# Allegro board BeagleBone_AI-64_Rev_B1_PCB_220602.brd (continued)
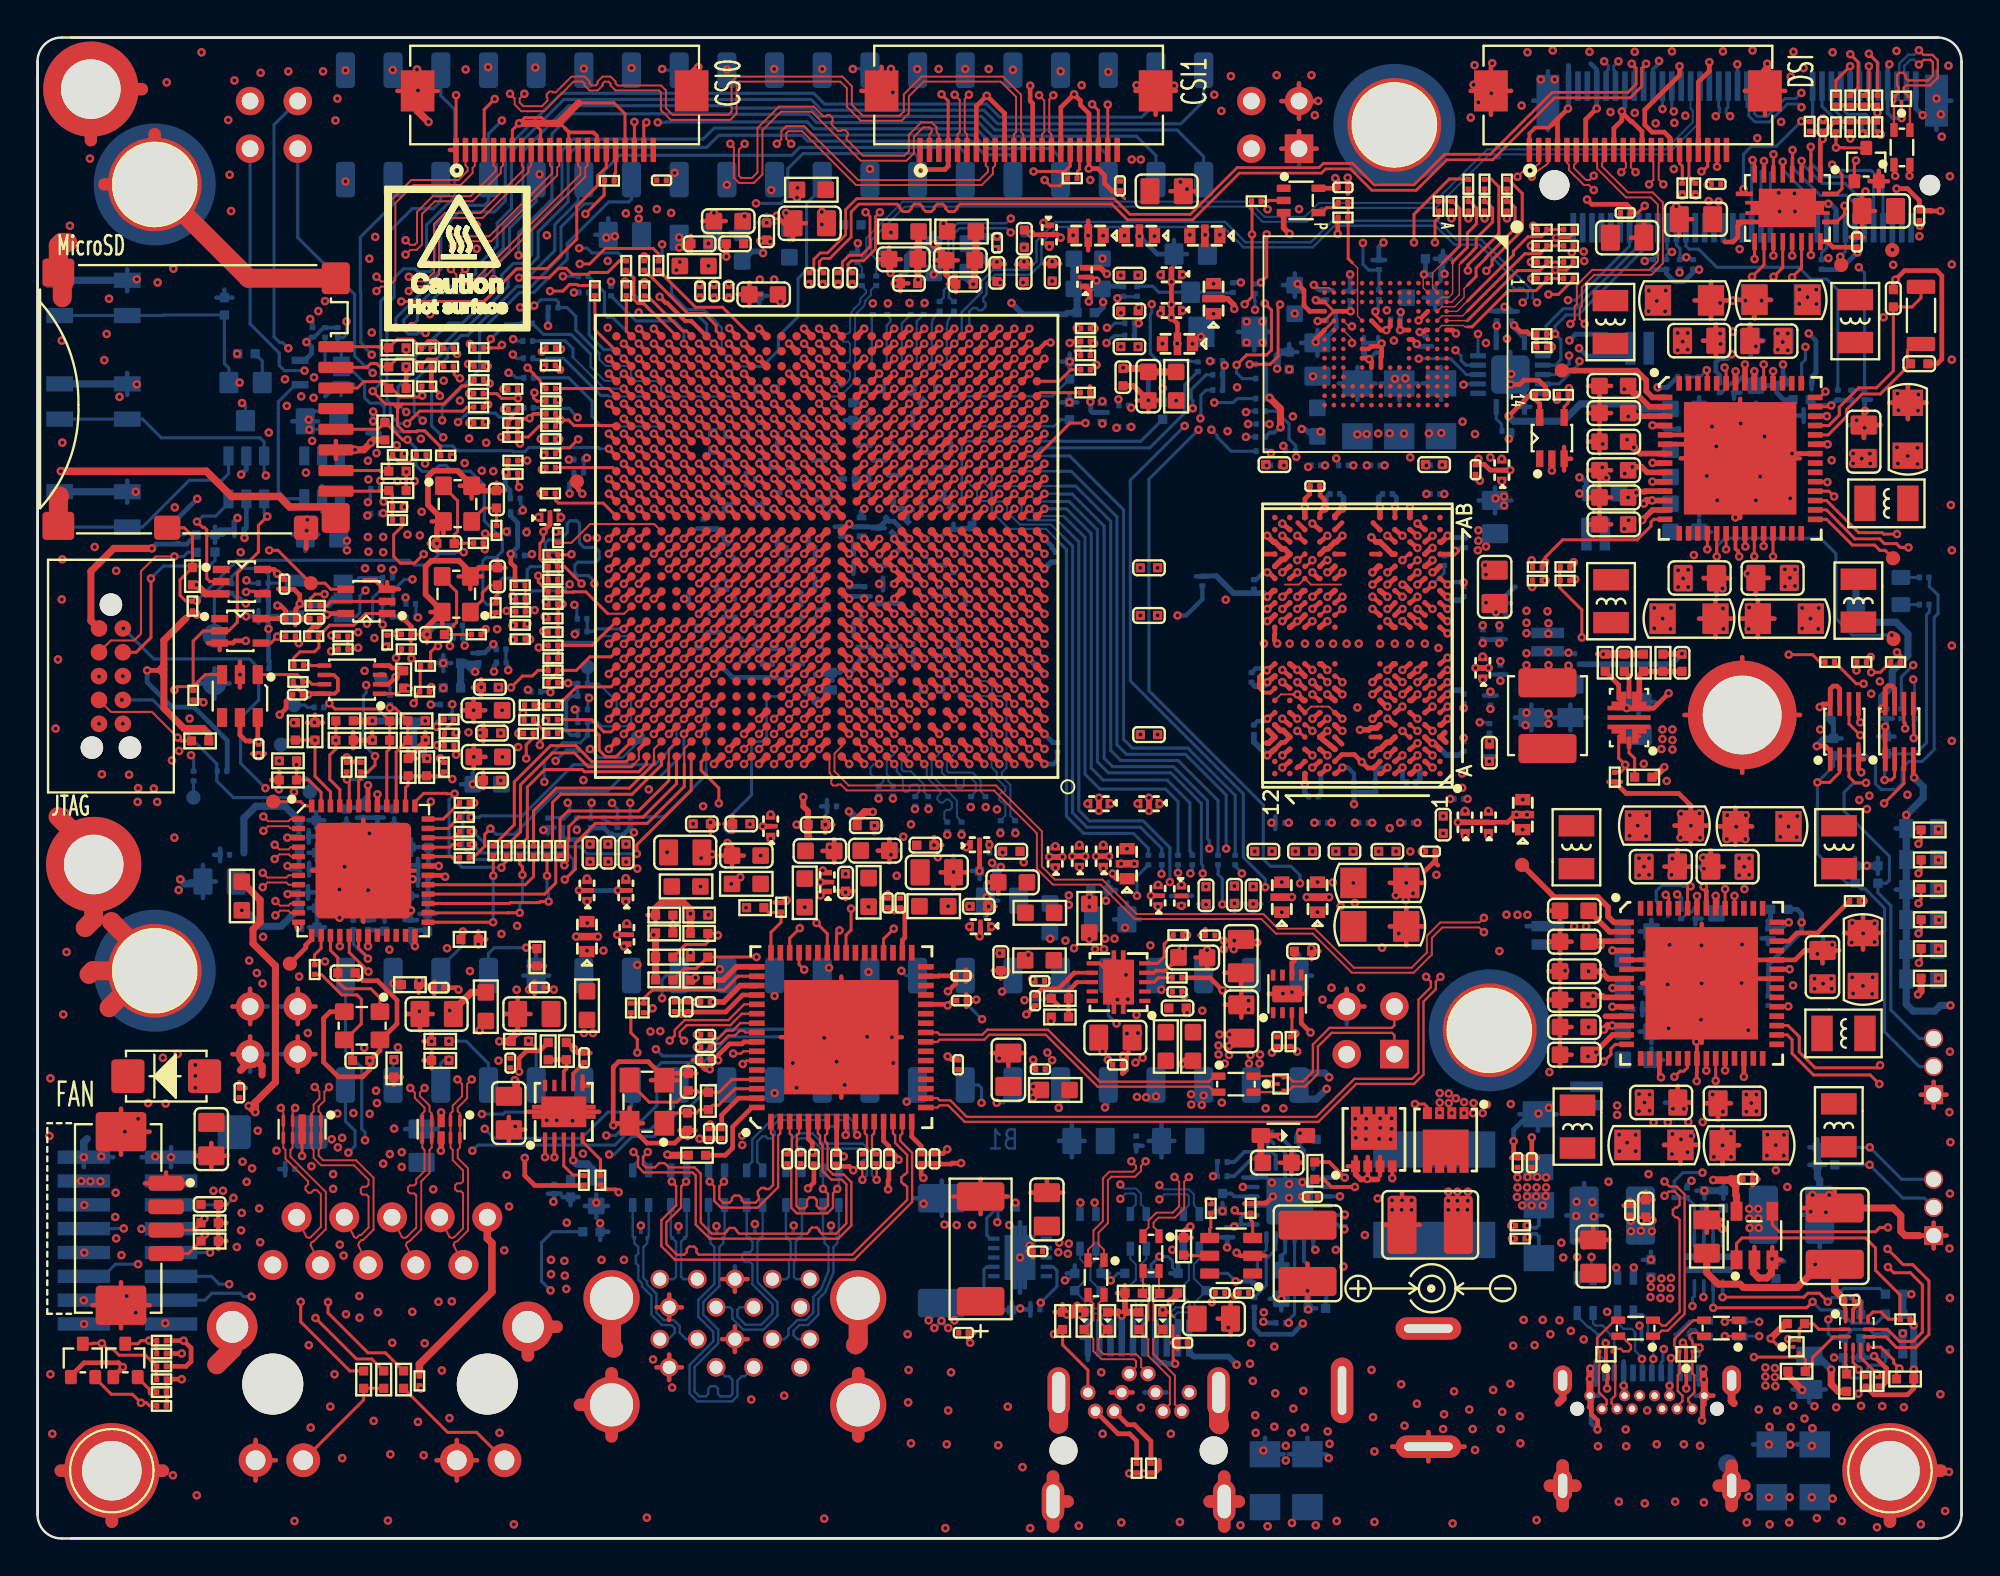
[diagram p0: board, top side]
## Routing (per net, layer and track width the routed paths; a pad name or vN(x,y) marks a point on that pad's centre or on a via; arc(x,y) is an arc through that point) (continued)
  BOTTOM w0.229: 71.45,55.49 71.63,55.67 71.63,55.67 ; 69.58,55.49 69.4,55.67 69.4,55.67 ; 67.69,39.56 67.69,39.55 ; 45.71,49.87 45.71,50.01 v1(45.64,50.08) ; 75.97,45.03 75.97,45.03
  BOTTOM w0.241: v1(23.23,44.15) 23.23,44.77 ; v1(23.23,44.15) 22.6,44.15 ; v1(23.23,44.15) 23.23,43.52 ; v1(23.23,44.15) 23.85,44.15 ; 45.19,51.85 C180.2 44.51,51.85 ; 37.83,10.62 J8.7 37.15,9.95 ; 46.26,56.01 C167.2 46.26,55.34 ; 4.78,67.65 SW1.3 4.78,66.48 ; 91.85,31.99 R11.2 ; R11.2 92.18,31.67 ; R11.2 92.52,31.99 ; 37.19,49.12 C260.2 36.52,49.12 ; 5.54,20.32 v1(7.11,20.32) ; v1(7.11,20.32) 7.11,20.86 ; v1(7.11,20.32) 7.11,19.79 ; 28.4,17.77 C314.2 ; C314.2 28.82,18.2 ; C314.2 27.97,18.2 ; 93.76,59.85 C7.2 ; C7.2 94.08,59.51 ; C7.2 94.08,60.19 ; 65.52,21.03 C550.2 65.52,21.7 ; 89.52,22.33 C17.2 ; C17.2 90.21,23.21 ; C17.2 88.83,23.21 ; 89.4,64.72 C23.2 88.72,63.85 ; 90.72,61.07 R13.2 90.38,60.75 ; C288.2 20.27,36.22 ; C288.2 20.27,35.54 ; C288.2 19.95,35.88 ; v1(21.61,46.66) 21.61,47.09 ; v1(21.61,46.66) 22.04,46.66 ; v1(21.61,46.66) 21.18,46.66 ; v1(21.61,46.66) 21.61,46.23 ; 101.16,75.07 J4.76 ; J4.76 101.16,78.2 ; J4.76 101.95,76.64 ; 45.98,47.56 C173.2 45.3,47.56 ; 41.43,50.51 C218.2 41.43,51.19 ; 77.35,41.36 C55.2 ; C55.2 77.01,41.68 ; C55.2 77.68,41.68 ; P8.1 67.2,75.02 ; P8.1 68.14,74.08 ; P8.1 66.26,74.08 ; P8.1 67.2,73.14 ; P9.44 13.86,29.3 ; P9.44 13.86,27.42 ; P9.44 14.8,28.36 ; P9.44 12.92,28.36 ; 4.78,62.13 SW2.3 4.78,60.96 ; 58.34,7.78 J7.8 57.17,7.78 ; J9.12 22.34,5.25 ; J9.12 21.26,4.17 ; J9.12 22.34,3.09 ; J9.12 23.41,4.17 ; 14.89,32.15 R154.2 ; R154.2 15.32,32.58 ; R154.2 14.89,33.01 ; R154.2 14.46,32.58 ; 48.8,34.63 C387.2 ; C387.2 48.11,35.51 ; C387.2 48.8,36.38 ; C387.2 49.48,35.51 ; C109.2 58.03,33.87 ; C109.2 58.72,33 ; C109.2 57.35,33 ; C308.2 14.41,34.78 ; C308.2 14.73,34.44 ; C308.2 14.41,34.11 ; C47.2 80.46,43.76 ; C47.2 78.7,43.76 ; C47.2 79.58,43.07 ; C47.2 79.58,44.45 ; 82.39,15.48 C44.2 ; C44.2 81.44,17.21 ; C44.2 82.39,18.94 ; C44.2 83.35,17.21 ; 55.26,14.56 D12.2 54.83,14.13 ; 74.46,65.51 C68.2 ; C68.2 75.08,66.14 ; C68.2 74.46,66.76 ; C68.2 73.84,66.14 ; 44.28,56.14 C187.2 44.28,56.82 ; 43.14,51.74 C197.2 ; C197.2 43.46,52.07 ; C197.2 43.46,51.4 ; 49.05,48.01 C127.2 49.05,47.34 ; C20.2 89.44,32.42 ; C20.2 88.82,31.8 ; C20.2 90.06,31.8 ; C20.2 89.44,31.17 ; 55.96,9.51 J7.1 55.6,10.69 ; J6.2 76.02,4.89 ; J6.2 74.09,4.12 ; J6.2 72.17,4.89 ; J6.2 74.09,5.67 ; R87.2 50,53.82 ; R87.2 49.32,53.82 ; R87.2 49.66,54.14 ; 39.91,52.16 C232.2 39.91,52.84 ; P9.43 13.86,26.76 ; P9.43 13.86,24.88 ; P9.43 12.92,25.82 ; P9.43 14.8,25.82 ; 64.34,33.82 C102.2 ; C102.2 64.77,33.39 ; C102.2 65.2,33.82 ; C21.2 94.38,8.63 ; C21.2 94.38,7.26 ; C21.2 93.51,7.94 ; C21.2 95.26,7.94 ; J5.B1 82.7,8.09 ; J5.B1 83.17,7.61 ; J5.B1 82.7,7.13 ; 94.39,19.92 D4.1 95.25,19.92 ; 88.32,7.61 J5.B12 ; J5.B12 88.8,7.13 ; J5.B12 89.27,7.61 ; J5.B12 88.8,8.09 ; 39.88,45.93 39.88,46.23 ; v1(23.19,40.2) 23.19,40.82 ; v1(23.19,40.2) 22.57,40.2 ; v1(23.19,40.2) 23.81,40.2 ; 48.42,55.9 C136.2 47.81,55.29 ; 87.89,60.21 C25.2 ; C25.2 88.52,60.83 ; C25.2 88.52,59.58 ; C25.2 89.14,60.21 ; 13.58,59.55 C301.2 14.95,59.55 ; C305.2 14.85,38.72 ; C305.2 14.42,38.29 ; C305.2 14.85,37.86 ; C305.2 15.28,38.29 ; 19.37,34.25 C291.2 ; C291.2 19.8,33.82 ; C291.2 20.23,34.25 ; C291.2 19.8,34.68 ; 19.55,32.96 C292.2 ; C292.2 19.89,33.28 ; C292.2 20.22,32.96 ; 70.26,66.49 C81.2 69.59,66.49 ; C18.2 89.8,35.81 ; C18.2 88.43,35.81 ; C18.2 89.11,36.68 ; 20.35,33.3 C287.2 ; C287.2 21.2,33.3 ; C287.2 20.78,32.87 ; C287.2 20.78,33.72 ; 48.37,50.21 C146.2 47.7,50.21 ; 60.54,69.21 D7.1 61.23,68.46 ; C307.2 14.44,37.76 ; C307.2 14.76,37.42 ; C307.2 14.44,37.08 ; 41.5,49.5 C209.2 42.17,49.5 ; C45.2 81.66,44.44 ; C45.2 82.54,43.76 ; C45.2 81.66,43.07 ; C45.2 80.78,43.76 ; R400.2 68.64,4.49 ; R400.2 67.65,5.37 ; R400.2 66.66,4.49 ; C46.2 80.92,22.61 ; C46.2 79.93,21.73 ; C46.2 78.94,22.61 ; 74.3,63.55 C67.2 73.62,63.55 ; R9.2 93.38,5.01 ; R9.2 92.39,5.89 ; R9.2 91.4,5.01 ; 52.29,12.18 52.32,12.18 ; 88.5,8.19 J5.A1 88.82,8.82 ; C304.2 15.3,33.6 ; C304.2 14.44,33.6 ; C304.2 14.87,34.03 ; C304.2 14.87,33.18 ; 40.05,70.44 C226.2 40.05,69.19 ; 9.42,44.76 TP16.1 ; TP16.1 9.42,46.39 ; TP16.1 10.23,45.57 ; TP16.1 8.61,45.57 ; C71.2 72.54,62.44 ; C71.2 72.54,60.68 ; C71.2 73.53,61.56 ; C71.2 71.55,61.56 ; 90.78,49.02 C9.2 ; C9.2 92.53,49.02 ; C9.2 91.65,50.02 ; C9.2 91.65,48.03 ; 23.83,47.19 C286.2 23.16,47.19 ; C3.2 97.26,33.15 ; C3.2 97.26,31.39 ; C3.2 96.27,32.27 ; 49.75,35.58 v1(50.18,35.58) ; v1(50.18,35.58) 50.18,36.01 ; v1(50.18,35.58) 50.18,35.15 ; 18.49,32.87 C294.2 ; C294.2 18.06,33.3 ; C294.2 18.49,33.72 ; C294.2 18.92,33.3 ; 16.03,37.96 C299.2 ; C299.2 16.89,37.96 ; C299.2 16.46,37.53 ; C299.2 16.46,38.39 ; C37.2 85.29,45.27 ; C37.2 86.17,44.58 ; C37.2 84.42,44.58 ; C37.2 85.29,43.89 ; 94.51,61.92 R396.1 94.51,61.25 ; 57.46,34.57 C112.2 57.03,35 ; 46.93,57.89 C154.2 47.61,57.89 ; 20.27,34.78 C289.2 ; C289.2 20.27,35.46 ; C289.2 19.95,35.12 ; 88.08,37.01 C32.2 ; C32.2 88.95,38 ; C32.2 87.2,38 ; C32.2 88.08,38.99 ; 63.95,64.31 C105.2 ; C105.2 64.82,63.32 ; C105.2 65.7,64.31 ; 91.54,59.3 C15.2 ; C15.2 91.54,60.55 ; C15.2 90.92,59.93 ; C15.2 92.16,59.93 ; 34.33,12.32 J8.13 33.65,13 ; 7.15,53.54 C313.2 7.83,53.54 ; 13.19,19.35 C554.2 ; C554.2 12.87,19.69 ; C554.2 13.19,20.03 ; 14.27,52.64 C300.2 ; C300.2 14.27,54.39 ; C300.2 14.95,53.51 ; C300.2 13.58,53.51 ; v1(66.26,12.77) 66.26,13.4 ; v1(66.26,12.77) 65.64,12.77 ; v1(66.26,12.77) 66.26,12.15 ; 42.9,50.21 C203.2 43.57,50.21 ; 65.94,38.49 C97.2 65.94,37.81 ; 78.46,63.24 U2.15 78.46,60.84 ; 23.24,41.03 v1(23.24,41.66) ; v1(23.24,41.66) 23.24,42.28 ; v1(23.24,41.66) 23.86,41.66 ; C306.2 14.78,35.68 ; C306.2 14.47,36.01 ; C306.2 14.47,35.34 ; 55.1,20.31 C551.2 ; C551.2 55.1,22.07 ; C551.2 55.79,21.19 ; C551.2 54.41,21.19 ; 61.82,33.82 C107.2 62.25,33.39 ; 36.45,54.64 C266.2 37.06,55.24 ; 96.46,59.34 C2.2 ; C2.2 97.33,58.65 ; C2.2 97.33,60.03 ; C2.2 98.21,59.34 ; 64.76,19.53 U3.6 64.24,19.24 ; 50.18,69.02 C238.2 49.56,68.4 ; 35.71,48.31 C270.2 36.38,48.31 ; 44.38,50.21 C192.2 43.71,50.21 ; 20.46,21.14 C553.2 ; C553.2 20.46,22.51 ; C553.2 21.34,21.82 ; C553.2 19.58,21.82 ; C26.2 89.14,58.03 ; C26.2 88.52,57.41 ; C26.2 88.52,58.66 ; 67.69,12.69 C88.2 68.12,12.27 ; P9.E4 69.74,29.3 ; P9.E4 70.68,28.36 ; P9.E4 69.74,27.42 ; P9.E4 68.8,28.36 ; 97.56,9.64 R22.2 96.7,9.64 ; C549.2 59.88,22.07 ; C549.2 60.56,21.19 ; C549.2 59.19,21.19 ; C549.2 59.88,20.31 ; 9.02,53.5 R159.2 ; R159.2 9.88,53.5 ; R159.2 9.45,53.07 ; R159.2 9.45,53.93 ; C40.2 86.6,30.88 ; C40.2 85.35,30.88 ; C40.2 85.98,31.51 ; C40.2 85.98,30.26 ; 88.32,32.73 R18.2 88.66,33.04 ; 44.47,53.85 C184.2 45.14,53.85 ; 54.56,62.73 R80.2 ; R80.2 54.98,63.16 ; R80.2 54.98,62.3 ; C142.2 48.17,19.07 ; C142.2 49.62,18.13 ; C142.2 46.72,18.13 ; C142.2 48.17,17.19 ; 47.09,55.2 C162.2 47.09,54.52 ; C87.2 68.18,64.41 ; C87.2 68.18,63.04 ; C87.2 67.31,63.73 ; 4.78,56.38 SW3.3 4.78,55.21 ; C30.2 90.02,66 ; C30.2 89.14,65.01 ; C30.2 88.26,66 ; C30.2 89.14,66.99 ; C74.2 73.79,34.95 ; C74.2 72.92,33.95 ; C74.2 72.92,35.94 ; C74.2 72.04,34.95 ; v1(54.97,60.56) 54.97,60.99 ; v1(54.97,60.56) 54.54,60.56 ; v1(54.97,60.56) 55.4,60.56 ; 43.34,68.53 R96.2 43.68,68.85 ; 45.37,49.85 C171.2 46.04,49.85 ; 78.27,46.05 C49.2 77.59,46.05 ; 39.4,57.75 C229.2 39.4,58.42 ; C66.2 75.29,68.21 ; C66.2 74.44,68.21 ; C66.2 74.87,68.64 ; 19.47,36.85 C290.2 ; C290.2 19.9,37.28 ; C290.2 20.32,36.85 ; C290.2 19.9,36.42 ; 40.5,56.33 C220.2 41.18,56.33 ; J8.4 34.33,9.12 ; J8.4 33.65,9.8 ; J8.4 33.65,8.44 ; J8.4 32.97,9.12 ; 35.81,53.82 C273.2 35.14,53.82 ; J5.A12 83,9.45 ; J5.A12 82.67,8.82 ; J5.A12 83,8.19 ; C298.2 17.68,38.42 ; C298.2 17.35,38.1 ; C298.2 17.01,38.42 ; 77.64,54.65 C52.2 ; C52.2 78.52,55.33 ; C52.2 76.76,55.33 ; C52.2 77.64,56.02 ; C16.2 89.77,21.95 ; C16.2 89.77,19.97 ; C16.2 90.64,20.96 ; C133.2 48.8,54.09 ; C133.2 49.13,53.77 ; C133.2 48.46,53.77 ; 10.49,54.1 C310.2 10.49,53.43 ; 44.22,59.32 C190.2 44.22,59.99 ; 17.56,58.91 C296.2 18.24,58.91 ; 50.49,33.13 C120.2 ; C120.2 51.18,34 ; C120.2 50.49,34.88 ; C370.2 42.4,38.05 ; C370.2 41.97,38.48 ; C370.2 41.97,37.62 ; 70.66,64.04 C78.2 71,63.72 ; 40.69,50.42 C223.2 40.69,49.75 ; 71.8,68.14 R40.2 71.12,68.14 ; C80.2 70.31,62.44 ; C80.2 69.32,61.56 ; C80.2 70.31,60.69 ; C80.2 71.3,61.56 ; 43.89,49.62 C199.2 43.89,48.94 ; 48.67,57.75 C138.2 48.67,58.42 ; C41.2 85.98,29.98 ; C41.2 86.6,29.36 ; C41.2 85.35,29.36 ; C41.2 85.98,28.74 ; C34.2 88.02,35.81 ; C34.2 87.34,36.68 ; C34.2 86.65,35.81 ; 43.46,48.77 C198.2 43.46,48.1 ; D3.1 94.82,21.28 ; D3.1 95.25,20.85 ; D3.1 94.39,20.85 ; 39.4,52.92 C231.2 39.4,53.6 ; 11.77,48.81 C309.2 11.77,49.49 ; 42.77,46.15 R98.2 42.34,45.73 ; 98.99,34.59 LED3.2 100.11,34.59 ; C14.2 91.35,37.93 ; C14.2 89.6,37.93 ; C14.2 90.48,38.92 ; 67.2,28.87 P9.2 ; P9.2 67.2,31.13 ; P9.2 67.89,30 ; 43.5,56.15 C202.2 43.5,56.82 ; C293.2 19,38.39 ; C293.2 19.43,37.96 ; C293.2 19,37.53 ; C293.2 18.57,37.96 ; 47.76,37.38 C386.2 48.19,36.95 ; 37.74,56.14 C252.2 37.74,56.81 ; 45.31,56.66 C172.2 45.98,56.66 ; C421.2 30.39,17.72 ; C421.2 29.77,17.1 ; C421.2 29.77,18.34 ; C421.2 29.14,17.72 ; C39.2 85.98,32.98 ; C39.2 85.35,32.36 ; C39.2 85.98,31.73 ; C39.2 86.6,32.36 ; 74.74,67.02 C63.2 74.74,67.69 ; 8.13,35.02 C312.2 ; C312.2 8.81,34.14 ; C312.2 9.5,35.02 ; C312.2 8.81,35.89 ; C13.2 91.95,63.85 ; C13.2 91.27,64.73 ; C13.2 91.27,62.98 ; 41.43,52.16 C216.2 41.43,52.84 ; 17.77,38.42 C295.2 ; C295.2 18.11,38.1 ; C295.2 18.45,38.42 ; 23.75,43.36 C332.2 23.75,42.5 ; 77.4,65.42 C51.1 78.07,65.42 ; 29.72,69.49 C278.2 30.4,70.36 ; C111.2 42.06,39.36 ; C111.2 41.74,39.02 ; C111.2 42.06,38.69 ; C8.2 95.89,17.26 ; C8.2 93.99,17.26 ; C8.2 94.94,15.53 ; 15.16,54.73 U5.2 15.16,56.1 ; 92.23,51.2 C12.2 91.54,50.33 ; 47.7,47.04 C147.2 48.37,47.04 ; C379.2 45.38,37.28 ; C379.2 44.76,36.66 ; C379.2 46,36.66 ; 85.98,26.4 C42.2 ; C42.2 85.98,27.64 ; C42.2 85.35,27.02 ; C42.2 86.6,27.02 ; C5.2 95.12,32.03 ; C5.2 94.25,31.34 ; C5.2 96,31.34 ; C5.2 95.12,30.66 ; MH8.1 93.89,43.89 ; MH8.1 90.81,46.97 ; MH8.1 90.81,40.81 ; MH8.1 87.73,43.89 ; 98.04,36.28 D1.1 98.04,35.42 ; 60.14,7.78 J7.14 58.97,7.78 ; 79.67,76.64 J4.77 ; J4.77 80.46,78.2 ; J4.77 80.46,75.07 ; 97.33,60.38 R2.2 97.67,60.7 ; 38.61,54.55 C242.2 38.61,55.22 ; J9.14 11.62,5.25 ; J9.14 11.62,3.09 ; J9.14 12.69,4.17 ; 43.7,58.24 C193.2 44.37,58.24 ; 41.05,52.92 C214.2 41.05,53.6 ; C27.2 89.14,56.57 ; C27.2 88.52,55.95 ; C27.2 88.52,57.2 ; 36.92,69.6 C254.2 37.54,68.97 ; C75.2 73.79,32.6 ; C75.2 72.92,33.59 ; C75.2 72.04,32.6 ; C75.2 72.92,31.61 ; C1.2 99.63,61.42 ; C1.2 100.62,60.55 ; C1.2 98.64,60.55 ; C1.2 99.63,59.67 ; 98.07,42.74 R353.2 98.93,42.74 ; 52.57,12.21 R84.2 ; R84.2 52.89,12.55 ; R84.2 52.89,11.87 ; 66.97,66.18 C93.2 ; C93.2 66.35,66.81 ; C93.2 66.97,67.43 ; 77.73,44.93 C54.2 77.06,44.93 ; 101.01,22.97 J2.1 ; J2.1 101.01,24.34 ; J2.1 101.7,23.65 ; J2.1 100.33,23.65 ; 48.39,57.12 C144.2 47.71,57.12 ; 46.82,61.51 R90.2 46.21,60.91 ; 66.68,63.67 C94.2 67.11,63.24 ; P9.34 27.25,30 ; P9.34 25.87,30 ; P9.34 26.56,31.13 ; 57.08,14.13 D11.2 56.65,14.56 ; C366.2 38.84,70.56 ; C366.2 38.41,70.13 ; C366.2 39.27,70.13 ; 46.93,56.31 C155.2 47.61,56.31 ; R86.2 51.89,12.61 ; R86.2 51.89,11.75 ; R86.2 51.46,12.18 ; 43.44,59.18 R97.2 43.01,59.61 ; 87.53,20.01 C35.2 ; C35.2 86.65,21 ; C35.2 88.41,21 ; 93.04,14.77 C11.2 92.61,15.2 ; 41.31,57.45 C212.2 41.98,57.45 ; 14.87,36.12 C303.2 ; C303.2 15.3,36.55 ; C303.2 14.87,36.98 ; C303.2 14.44,36.55 ; 42.44,36.02 C372.2 ; C372.2 42.44,37.27 ; C372.2 41.82,36.65 ; 48.37,51.86 C145.2 47.7,51.86 ; P9.45 12.26,25.82 ; P9.45 11.32,26.76 ; P9.45 10.38,25.82 ; P9.45 11.32,24.88 ; C22.2 90.16,51.16 ; C22.2 89.48,50.28 ; C22.2 88.79,51.16 ; 46.61,60.01 C161.2 46.61,59.34 ; C297.2 17.94,32.96 ; C297.2 17.6,33.28 ; C297.2 17.26,32.96 ; 49.43,50.42 C131.2 49.43,49.75 ; 37.15,14.5 J8.16 37.15,13.15 ; 85.5,27.88 C38.2 ; C38.2 85.81,28.22 ; C38.2 85.5,28.55 ; 56.73,65.98 C113.2 56.11,66.6 ; 52.34,13.1 v1(52.34,14.98) 52.34,16.86 ; 58.53,20.62 C552.2 58.87,20.93 ; 27.19,18.38 C342.2 ; C342.2 27.53,18.06 ; C342.2 27.87,18.38 ; 95.25,42.64 R356.2 96.11,42.64 ; 34.67,50.41 C277.2 34.67,49.73 ; 45.04,50.54 C176.2 45.04,51.22 ; 45.48,58.39 C170.2 45.96,57.92 ; 88.52,49.02 C24.2 ; C24.2 89.39,48.03 ; C24.2 90.27,49.02 ; C24.2 89.39,50.01 ; 46.64,46.55 C160.2 46.64,47.22 ; 49.57,10.63 C157.2 49.89,10.96 ; 44.5,49.82 C182.2 45.18,49.82 ; 71.09,63.72 C76.2 71.42,64.04 ; 44.58,37.57 C378.2 45.01,38 ; 74.76,60.69 C62.2 ; C62.2 74.76,62.44 ; C62.2 73.77,61.57 ; 63.71,16.05 C106.1 63.04,16.05 ; 61.5,34.25 C108.2 60.38,34.25 ; 27.2,37.58 R126.2 ; R126.2 27.08,37.89 ; R126.2 27.54,37.89 ; 23.18,45.34 C282.2 ; C282.2 23.61,44.92 ; C282.2 23.61,45.77 ; 90.55,66.06 C10.2 ; C10.2 91.43,65.06 ; C10.2 92.31,66.06 ; 43.67,47.52 C194.2 44.34,47.52 ; 66.26,76.62 P8.2 ; P8.2 67.2,77.56 ; P8.2 68.14,76.62 ; P8.2 67.2,75.68 ; 65.54,21.47 65.54,21.7 ; P9.46 12.26,28.36 ; P9.46 11.32,27.42 ; P9.46 10.38,28.36 ; P9.46 11.32,29.3 ; 86.87,33.18 R395.1 86.87,33.86 ; 89.81,18.97 C19.2 89.81,18.11 ; C311.2 9.73,36.78 ; C311.2 9.41,36.44 ; C311.2 9.73,36.1 ; 93.69,5.01 C6.2 94.68,5.89 ; 45.18,47.02 C181.2 44.51,47.02 ; 68.31,66.54 C84.2 68.98,66.54 ; 16.81,61.5 U6.3 16.19,61.12 ; 96.41,35.85 D2.1 96.84,36.28 ; 98.99,37.84 LED1.2 100.11,37.84 ; 39.02,50.42 C244.2 39.02,49.75 ; 101.01,15.46 J3.1 ; J3.1 101.7,16.14 ; J3.1 100.33,16.14 ; J3.1 101.01,16.83 ; 62.39,51.28 R66.2 61.72,51.28 ; 69.16,64.59 C83.2 69.16,65.26 ; 79.53,60.31 U2.7 78.89,60.31 ; 78.22,47.93 C50.2 77.54,47.93 ; D52.1 10.38,66.14 ; D52.1 9.95,66.57 ; D52.1 9.53,66.14 ; 86.69,23.23 C33.2 ; C33.2 88.06,23.23 ; C33.2 87.37,24.11 ; 88.8,18.11 v1(88.8,18.54) 88.37,18.54 ; 85.52,14.86 v1(85.95,14.86) 85.95,15.28 ; 29.98,15.92 D19.1 30.4,16.35 ; C28.2 89.14,55.15 ; C28.2 88.52,55.78 ; C28.2 88.52,54.53 ; 62.7,17.46 R59.2 63.13,17.89 ; 45.49,46.4 C179.2 45.49,45.72 ; 98.16,43.7 C510.2 98.84,43.7 ; C43.2 85.98,26.14 ; C43.2 86.6,25.52 ; C43.2 85.35,25.52 ; 66.38,4.49 C557.2 65.39,5.37 ; 2.46,19.79 v1(2.46,20.32) 4.04,20.32 ; 47.75,69.6 v1(47.75,68.98) 47.75,68.35 ; 87.89,53.65 C29.2 ; C29.2 88.52,54.28 ; C29.2 89.14,53.65 ; 77.82,49.85 78.5,49.85 ; 60.34,14.13 D8.2 60.77,14.56 ; 44.5,57.45 C183.2 45.17,57.45 ; 42.46,53.92 C204.2 43.14,53.92 ; C31.2 88.25,59.13 ; C31.2 87.93,58.79 ; C31.2 87.93,59.46 ; C240.2 38.88,66.23 ; C240.2 38.45,65.81 ; C240.2 38.02,66.23 ; 78.19,65.4 C48.2 78.86,65.4 ; 64.2,33.84 C104.2 63.77,33.42 ; 65.54,21.36 65.54,21.36
  BOTTOM w0.254: 37.39,51.93 37.39,51.95 ; 37.39,51.93 37.37,51.95 C258.2 ; 37.39,51.93 v1(37.63,51.68) ; 81.56,78.5 81.56,78.5 J4.75 81.56,76.32 81.53,76.29 v1(81.53,76.22) ; v1(88.67,6.29) 88.67,6.76 88.69,6.79 88.69,7.51 J5.B12 ; 36.73,50.78 36.71,50.75 C264.2 ; 36.73,50.78 36.73,50.59 ; 36.73,50.78 v1(36.83,50.88) 36.43,51.29 ; C110.2 56.2,60.02 56.11,60.11 56.11,60.57 v1(56.09,60.59) ; v1(26.19,29.25) 26.56,29.63 P9.34 ; 96.64,12.84 v1(96.9,12.84) ; C168.2 46.18,53.03 46.2,53.05 ; v1(73.48,63.67) 73.63,63.52 73.96,63.52 ; 40.75,46.8 v1(40.84,46.88) ; 40.75,46.8 40.75,46.63 ; 40.75,46.8 40.73,46.78 C222.2 ; v1(63.37,15.51) 63.37,15.51 63.37,16.03 ; v1(29.97,16.81) 29.98,16.8 D19.1 ; 64.84,50.39 64.8,50.44 C99.2 ; R98.2 41.71,46.15 v1(41.64,46.08) ; 22.1,48.66 21.23,48.66 v1(20.75,48.18) ; C379.2 45.38,36.52 v1(45.46,36.44) ; 19.6,49.1 v1(19.42,49.1) 19.39,49.13 18.92,49.13 ; 7.49,53.56 7.49,54.4 v1(8.51,55.41) ; C156.2 46.78,51.34 46.76,51.36 ; v1(67.13,66.87) 67.07,66.81 C93.2 ; 76.99,47.9 v1(76.99,47.72) ; 76.99,47.9 77.88,47.9 ; 76.99,47.9 C56.2 ; 37.26,46.51 37.24,46.49 C259.2 ; 37.26,46.51 v1(37.63,46.88) C248.2 ; 37.26,46.51 37.26,46.43 ; J5.B1 82.76,7.55 82.76,6.15 v1(83.11,5.81) ; v1(60.4,66.98) 60.4,67.67 60.54,67.81 D7.1 59.65,68.46 v1(58.7,69.41) ; v1(71.85,64.41) 72.06,64.61 72.06,64.96 ; v1(39.37,70.5) 40.05,69.82 C226.2 ; 44.84,49.84 v1(44.84,50.08) ; v1(41.64,54.88) 41.68,54.88 C207.2 42.44,55.64 v1(42.44,55.68) 42.06,56.06 ; 27.19,65.61 27.19,65.15 27.19,65.15 v1(27.19,64.63) ; 67.51,39.74 67.71,39.55 C90.2 ; C241.2 39.13,46.78 39.16,46.81 ; v1(56.41,67.05) 56.73,66.73 C113.2 56.87,66.75 57.85,66.75 ; C60.2 75.95,41.96 75.92,41.93 ; 41.84,49.48 41.83,49.48 v1(41.64,49.28) 41.1,48.75 C219.2 41.09,48.74 v1(40.84,48.48) ; 75.92,41.93 75.97,41.93 ; 75.92,41.93 75.74,41.75 ; 39.28,55.73 39.3,55.75 C239.2 ; 39.28,55.73 39.52,55.73 ; 39.28,55.73 39.27,55.72 ; 25.18,54.71 25.18,54.54 25.58,54.14 C280.2 25.58,52.85 v1(25.21,52.48) 25.29,52.4 C279.2 ; U2.7 79.21,61.29 U2.15 ; 98.56,76.98 J4.7 98.56,78.49 v1(98.65,78.58) ; v1(84.4,76.06) 84.4,76.12 84.56,76.28 J4.63 ; C237.2 39.88,45.93 v1(40.04,46.08) ; v1(63.83,13.71) 64.67,13.71 64.78,13.59 ; C230.2 40.11,57.21 v1(40.03,57.29) ; C87.2 68.37,63.73 69.19,64.54 69.19,64.93 ; 46.2,53.05 v1(46.44,53.28) ; 46.2,53.05 46.2,53 ; C59.2 75.97,45.03 75.79,45.21 ; 15.33,60.89 15.94,61.5 U6.3 ; 24.42,47.39 24.42,47.53 v1(24.28,47.67) 23.83,47.22 23.5,47.22 ; C169.2 45.94,53.9 45.62,54.22 45.36,54.22 45.19,54.38 45.19,54.26 44.81,53.87 44.76,53.92 C195.2 43.4,53.92 v1(43.24,54.08) 43.11,53.95 42.8,53.95 ; 62.79,51.31 62.05,51.31 ; 82.75,78.6 83.06,78.29 J4.69 v1(83.06,76.22) ; 36.62,47.47 36.61,47.45 C265.2 ; 36.62,47.47 v1(36.83,47.68) 36.93,47.78 ; 36.62,47.47 36.62,47.46 ; v1(48.04,53.28) 48.55,53.79 49.18,53.79 49.23,53.85 49.68,53.85 49.89,54.06 49.89,54.33 50.1,54.55 ; C227.2 40.17,47.55 v1(40.03,47.68) ; C208.2 42.04,56.08 42.06,56.06 ; 28.55,56.43 28.34,56.23 v1(28.34,55.69) ; v1(28.84,34.54) 28.86,34.53 C250.2 30.44,34.53 30.45,34.54 v1(30.92,34.54) ; v1(78.64,21.17) 78.64,21.78 79.82,22.97 79.93,22.97 ; 77.93,46.02 v1(77.93,45.71) ; J4.1 100.06,76.23 v1(100.43,75.86) ; v1(39.23,46.88) 39.16,46.81 ; v1(14.52,65) 14.58,65 14.58,64.91 14.64,64.85 14.64,64.57 ; 39.16,46.81 39.16,46.62 ; 54.08,42.44 v1(53.64,42.88) ; 54.08,42.44 54.33,42.44 ; 54.08,42.44 54.1,42.42 C115.2 ; 38.05,55.26 38.21,55.26 38.58,54.89 38.44,54.89 v1(38.43,54.88) 38.07,55.25 C253.2 ; 46.48,51.79 46.48,51.73 v1(46.44,51.68) 46.76,51.36 ; 77.88,47.9 v1(77.88,47.72) ; 77.88,47.9 C50.2 ; v1(10.84,56.71) 11.12,56.99 U8.2 ; 95.43,43.91 C520.2 ; 95.43,43.91 95.44,43.91 95.67,43.68 95.67,43.37 ; 95.43,43.91 95.43,43.62 95.67,43.37 ; J4.18 95.81,70.85 95.53,71.14 v1(95.4,71.14) ; C267.2 36.5,49.61 36.52,49.59 ; 78.31,49.09 78.31,49.16 C53.2 77.82,49.85 78.68,50.72 78.74,50.72 ; 36.52,49.59 36.52,49.63 ; 36.52,49.59 v1(36.83,49.28) ; 94.54,61.59 94.54,61.92 94.74,62.13 94.74,63.85 v1(94.36,64.23) ; v1(59.18,60.67) 59.18,61.83 59.54,62.2 59.94,62.2 ; 95.67,43.37 95.67,43.15 95.68,43.13 R356.2 ; 42.06,56.06 42.06,56.11 ; v1(17.75,58.39) 17.75,58.51 17.9,58.66 17.9,58.89 ; 74.91,67.36 v1(74.95,67.4) 74.87,67.49 C66.2 ; 43.53,56.49 44.04,56.49 v1(44.04,56.49) 44.04,56.48 44.26,56.48 ; 36.93,47.78 36.93,47.93 ; 36.93,47.78 36.96,47.81 C257.2 ; 46.76,51.36 46.76,51.28 ; v1(52.93,69.54) 52.91,69.51 52.55,69.51 ; 68.65,66.56 68.25,66.56 v1(67.99,66.81) ; 11.74,49.15 v1(11.11,49.15) ; C103.2 64.67,45.61 64.84,45.44 ; 71.46,68.16 71.46,68.84 v1(71.7,69.08) ; C175.2 45.21,54.25 C184.2 ; v1(44.84,51.68) 44.85,51.69 44.85,51.83 ; v1(98.42,43.27) 98.5,43.35 98.5,43.68 ; 75.82,50.01 75.97,50.16 C58.2 ; 64.8,42.64 C100.2 ; C69.2 73.47,40.31 73.64,40.48 ; v1(87.48,67.48) 87.48,67.49 87.48,67.63 ; 53.47,46.25 v1(53.64,46.08) ; 76.04,53.35 75.21,53.35 v1(75.11,53.45) ; 92.06,77.45 J4.33 ; 36.43,51.29 36.41,51.3 C268.2 ; 36.43,51.29 36.39,51.29 ; 54.26,52.03 53.99,52.03 54.01,52.06 C116.2 ; 78.51,65.44 78.3,65.65 v1(78.15,65.65) ; 78.51,65.44 77.73,65.44 ; 78.51,65.44 78.52,65.43 ; R159.2 9.71,53.76 10.46,53.76 10.46,54.19 10.67,54.4 v1(10.65,54.4) ; 45.01,50.88 v1(44.84,50.88) ; 21.44,44.45 v1(20.95,44.45) ; 69.92,66.51 v1(69.92,67.38)
  BOTTOM w0.305: J7.1 55.96,11.47 55.52,11.9 v1(55.52,11.95) ; v1(65.51,45.64) 65.31,45.44 64.84,45.44 ; v1(75.11,44.99) 75.33,45.21 75.79,45.21 ; 75.82,50.01 75.3,50.01 v1(75.11,50.19) ; v1(34.45,50.08) 34.45,50.11 34.48,50.11 34.48,50.03 ; v1(65.51,50.19) 65.32,50.39 63.71,50.39 62.79,51.31 ; 75.74,41.75 75.06,41.75 74.42,42.39 v1(74.31,42.39) ; 35.47,53.8 36.2,53.8 36.52,53.48 36.52,53.46 C263.2 ; 64.8,42.64 64.8,42.46 v1(65.51,41.74) ; 71.45,55.49 71.45,55.02 v1(71.51,54.96) ; C114.2 56.46,65.33 56.77,65.64 v1(56.77,65.9) ; 67.51,39.74 67.51,40.23 v1(67.51,40.23) ; J7.13 59.56,9.6 59.79,9.36 60.06,9.36 60.11,9.31 v1(60.6,9.31) ; J7.19 61.36,9.93 61.59,9.69 63.45,9.69 v1(63.88,9.26) ; R97.2 43.96,59.61 v1(44.04,59.69) ; R14.2 97.13,12.61 v1(96.9,12.84) ; v1(73.51,41.09) 73.64,40.97 73.64,40.48 ; v1(45.67,66.9) 46.3,67.54 46.3,68.34 46.94,68.98 v1(47.75,68.98) ; v1(40.84,48.48) 40.84,48.48 ; v1(57.76,11.88) 57.76,11.88 J7.7 ; v1(53.64,46.08) 53.61,46.08 53.47,46.24 ; 44.87,68.55 45.21,68.55 45.44,68.32 v1(45.44,67.45) ; 39.27,55.72 v1(39.23,55.68) ; C276.2 v1(34.18,69.35) ; v1(69.51,54.9) 69.58,54.96 69.58,55.49 ; 53.47,46.24 53.47,46.25 ; 53.47,46.24 53.44,46.28 ; 53.99,52.03 v1(53.64,51.68) ; v1(50.44,54.88) 50.1,54.55
  BOTTOM w0.381: R353.2 98.5,43.2 v1(98.42,43.27) ; 5.29,55.79 v1(5.23,55.79) SW3.3 SW3.1 ; U7.2 15.82,50.11 15.49,49.78 14.54,49.78 14.5,49.81 v1(13.97,49.81) ; v1(97.84,9.72) 97.84,9.69 ; C88.2 67.66,12.29 v1(67.66,13.2) ; D3.1 D4.1 94.82,19.23 94.94,19.11 C8.2 ; v1(51.11,68.04) 50.54,68.04 C238.2 49.92,69.38 51.07,69.38 v1(51.11,69.43) ; 97.16,9.67 R22.2 R17.2 ; v1(94.79,42.23) 95.17,42.61 95.64,42.61 R356.2 ; D1.1 v1(97.45,35.85) D2.1 ; v1(66.04,62.35) 66.04,63.04 66.23,63.24 C94.2 ; v1(5.29,67.12) 5.29,67.06 SW1.3 SW1.1 ; v1(99.97,40.56) 100.45,40.07 100.45,39.47 v1(99.55,38.56) LED1.2 LED2.2 LED3.2 LED4.2 LED5.2 LED6.2 99.55,28.48 99.92,28.11 101.06,28.11 101.37,28.41 v1(101.9,28.41) ; v1(68.81,24.58) 68.58,24.81 67.59,24.81 67.2,24.42 P9.1 67.2,23.69 67.47,23.42 68.13,23.42 v1(68.68,23.97) ; v1(7.61,35.13) 7.85,34.89 8.41,34.89 ; v1(5.29,61.52) 5.29,61.54 SW2.3 SW2.1 ; C19.2 v1(88.8,18.54)
  BOTTOM w0.406: v1(2.46,20.32) 2.46,21.13 2.64,21.3
  vias: v1(3.05,52.85) v1(3.27,43.43) v1(3.43,40.73) v1(3.4,20.36) v1(3.55,62.81) v1(3.68,64.2) v1(3.81,66.08) v1(4.16,18.43) v1(4.14,17.14) v1(4.19,51.58) v1(4.19,15.99) v1(4.37,60.85) v1(4.47,15.1) v1(4.65,21.68) v1(4.75,12.92) v1(4.87,40.71) v1(5.23,12.03) v1(5.36,22.37) v1(5.89,23.21) v1(6.27,20.36) v1(6.4,66.95) v1(6.68,25.62) v1(6.88,24.5) v1(6.83,23.18) v1(7.24,67.68) v1(7.29,37.35) v1(7.47,25.82) v1(7.52,34.56) v1(10.16,75.61) v1(10.23,72.69) v1(10.31,70.76) v1(10.49,77.72) v1(10.88,17.35) v1(10.84,16.43) v1(11.89,78.12) v1(13.36,78.2) v1(14.37,54.3) v1(14.34,53.73) v1(14.45,59.63) v1(14.48,59.1) v1(14.45,10.3) v1(14.55,5.91) v1(14.76,43.5) v1(15.21,78.2) v1(15.59,7.03) v1(15.87,75.58) v1(15.82,8.75) v1(15.97,76.75) v1(16.08,34.59) v1(16.09,33.09) v1(16.23,4.28) v1(16.36,35.81) v1(16.43,11.95) v1(17.68,37.58) v1(17.61,34.55) v1(17.9,6.27) v1(18.79,4.49) v1(18.9,10.43) v1(18.99,21.85) v1(19.9,33.48) v1(19.99,35.14) v1(20.27,77.18) v1(20.27,6.21) v1(20.34,29.75) v1(20.57,4.44) v1(20.62,10.41) v1(20.95,39.28) v1(21.54,8.96) v1(21.94,6.42) v1(22.07,12.64) v1(22.81,78.3) v1(23.57,42.94) v1(24.61,5.63) v1(24.86,15.36) v1(25.45,21.96) v1(25.52,29.25) v1(27.13,22.29) v1(27.48,17.95) v1(27.66,22.29) v1(28.5,22.27) v1(29.77,17.9) v1(30.05,14.85) v1(30.15,31.33) v1(30.3,69.33) v1(31.24,14.85) v1(32.79,9.54) v1(33.81,8.04) v1(36.75,37.08) v1(38.02,7.41) v1(39.77,7.61) v1(40.23,25.34) v1(40.43,24.02) v1(41.91,26.69) v1(42.57,25.42) v1(43.05,34.44) v1(43,24.17) v1(43.7,69.04) v1(44.04,50.08) v1(44.19,26.74) v1(44.58,38) v1(45.46,78.32) v1(45.57,77.08) v1(45.51,26.71) v1(45.59,25.34) v1(45.77,35.32) v1(46.35,10.89) v1(46.38,7.26) v1(46.4,8.98) v1(46.53,5.07) v1(47.76,36.95) v1(48,78.32) v1(48.31,16.73) v1(48.44,5.02) v1(48.51,6.82) v1(48.66,8.86) v1(48.97,16.7) v1(49.68,10.43) v1(49.78,16.7) v1(50.57,34.18) v1(50.67,78.32) v1(50.66,33.69) v1(51.18,4.97) v1(51.23,25.59) v1(51.76,16.7) v1(51.69,7.03) v1(52.47,3.8) v1(52.55,68.06) v1(52.86,15.61) v1(52.98,29.81) v1(54.05,68.07) v1(56.67,8.86) v1(56.74,5.58) v1(57.53,28.72) v1(57.99,30.04) v1(58.04,26.92) v1(58.09,28.74) v1(58.54,77.46) v1(58.63,67.33) v1(58.67,65.6) v1(58.63,63.52) v1(58.62,26.94) v1(58.77,6.98) v1(59.28,31.61) v1(59.67,51.74) v1(59.67,49.2) v1(59.67,42.85) v1(59.94,12.18) v1(60.37,5.58) v1(60.55,77.44) v1(62.25,33.8) v1(62.3,31.36) v1(63.43,11.24) v1(63.57,77.94) v1(63.76,33.85) v1(63.78,12.95) v1(63.88,15.23) v1(64.41,64.86) v1(64.41,63.75) v1(64.51,28.67) v1(64.51,28.19) v1(64.76,33.82) v1(64.74,8.4) v1(64.87,6.57) v1(64.89,5.63) v1(65.25,64.86) v1(65.25,63.75) v1(65.3,4.69) v1(65.48,57.2) v1(65.73,38.15) v1(65.77,36.62) v1(65.76,18.97) v1(65.94,7.74) v1(65.89,5.96) v1(66.01,77.99) v1(66.34,29.05) v1(66.5,4.94) v1(66.5,4.16) v1(66.67,18.15) v1(66.83,29.13) v1(66.8,5.63) v1(66.9,6.93) v1(67.38,18.99) v1(67.38,18.23) v1(67.43,7.87) v1(67.51,5.91) v1(67.87,77.99) v1(67.87,31.46) v1(67.92,36.62) v1(68.04,75.86) v1(68.02,38.15) v1(68.22,76.62) v1(68.45,28.72) v1(68.73,5.71) v1(68.78,4.28) v1(68.83,5.05) v1(68.93,29.35) v1(70.08,36.62) v1(70.18,38.15) v1(70.81,57.2) v1(70.84,19.17) v1(71.07,8.98) v1(71.14,6.47) v1(71.22,4.64) v1(71.4,18.13) v1(71.63,31.49) v1(72.16,18.03) v1(72.16,17.52) v1(72.31,61.81) v1(72.37,36.62) v1(72.36,34.28) v1(72.51,32.25) v1(72.59,38.15) v1(72.67,17.52) v1(72.64,8.22) v1(72.69,18.03) v1(72.82,6.01) v1(72.9,34.03) v1(73.28,34.38) v1(73.2,18.03) v1(73.2,17.52) v1(73.48,7.18) v1(73.99,57.2) v1(73.99,55.67) v1(74.88,5.83) v1(74.93,6.62) v1(75.26,39.42) v1(75.46,7.84) v1(76.27,6.87) v1(76.45,5.83) v1(76.55,78.53) v1(76.5,77.49) v1(76.58,4.72) v1(76.76,76.55) v1(77.16,49.88) v1(77.44,77.03) v1(77.4,45.14) v1(77.49,78.63) v1(77.54,7.92) v1(77.67,55.44) v1(77.7,49.37) v1(77.87,31.31) v1(77.95,5.83) v1(78.03,6.75) v1(78.13,55.54) v1(78.13,55.06) v1(78.48,23.16) v1(78.46,8.25) v1(78.51,62.07) v1(78.97,6.52) v1(78.99,5.07) v1(79.27,43.35) v1(79.37,79.21) v1(79.32,44.01) v1(79.96,22.65) v1(80.08,77.77) v1(80.49,43.96) v1(80.49,43.43) v1(80.54,24.86) v1(80.52,22.95) v1(80.72,79.32) v1(80.82,77.77) v1(81.38,30.27) v1(81.96,17.19) v1(81.99,17.95) v1(82.67,79.24) v1(82.83,17.92) v1(82.9,17.16) v1(83.13,4.92) v1(83.56,56.53) v1(84.66,44.26) v1(84.61,5.81) v1(84.63,4.92) v1(85.09,79.24) v1(85.75,6.82) v1(86.26,5.02) v1(86.84,29.53) v1(86.94,31.64) v1(86.89,27.19) v1(87.07,79.26) v1(87.04,35.37) v1(87.07,20.49) v1(87.09,36.24) v1(87.12,22.9) v1(87.09,21.56) v1(87.55,38.62) v1(87.53,37.35) v1(87.55,21.28) v1(87.7,22.9) v1(87.7,5.02) v1(87.91,20.59) v1(88.09,21.45) v1(88.54,38.65) v1(88.57,37.35) v1(88.57,4.94) v1(88.64,31.61) v1(88.62,27.65) v1(88.72,36.29) v1(88.77,35.7) v1(88.92,56.63) v1(89.23,23.66) v1(89.3,20.34) v1(89.48,55.34) v1(89.63,65.85) v1(89.63,64.23) v1(89.66,63.67) v1(89.76,50.64) v1(89.79,79.26) v1(89.79,49.57) v1(89.81,48.48) v1(89.79,22.75) v1(90.02,38.55) v1(89.99,37.28) v1(90.22,21.58) v1(90.22,20.34) v1(90.32,65.98) v1(90.5,37.94) v1(90.73,59.43) v1(90.78,29.61) v1(90.8,31.67) v1(90.98,65.98) v1(90.98,37.28) v1(91.01,38.55) v1(91.11,51.43) v1(91.18,49.62) v1(91.16,48.48) v1(91.13,27.09) v1(91.36,79.32) v1(91.54,63.54) v1(91.54,55.34) v1(91.62,74.64) v1(91.77,56.61) v1(91.69,6.87) v1(91.84,65.98) v1(92,58.74) v1(92.26,5.95) v1(92.24,5.01) v1(92.68,6.82) v1(92.76,71.72) v1(92.89,75.51) v1(93.37,55.44) v1(93.37,5) v1(93.39,5.93) v1(93.55,79.24) v1(93.53,7.07) v1(93.6,71.7) v1(93.62,70.73) v1(94.13,6.39) v1(94.46,17.42) v1(94.56,18.3) v1(94.55,5.88) v1(94.52,4.94) v1(94.66,7.05) v1(94.82,31.16) v1(95.27,17.39) v1(95.45,18.3) v1(95.63,79.21) v1(95.6,31.64) v1(95.82,6.99) v1(96.67,32.81) v1(96.64,31.77) v1(96.9,59.61) v1(97.14,7.07) v1(97.25,32.25) v1(97.38,71.8) v1(97.36,60.11) v1(97.33,59.2) v1(97.86,32.78) v1(97.86,31.79) v1(98.27,7.05) v1(98.85,67.89) v1(99.03,79.29) v1(99.08,61.03) v1(99.13,60.14) v1(99.43,6.99) v1(100.18,60.11) v1(100.2,60.98) v1(101.16,76.75) v1(101.37,7.69) v1(101.39,75.91) v1(101.45,74.72) v1(101.8,78.5) v1(101.88,72.61) v1(101.88,25.95) v1(101.85,22.72) v1(101.88,18.38) v1(101.85,15.46) v1(101.88,12.82) v1(101.88,10.08) v1(101.98,67.91) v1(101.98,62.83) v1(101.93,55.08) v1(101.98,52.67) v1(101.98,47.59) v1(101.98,42.51) v1(101.9,21.12)
